# KiCad board issue22475.kicad_pcb
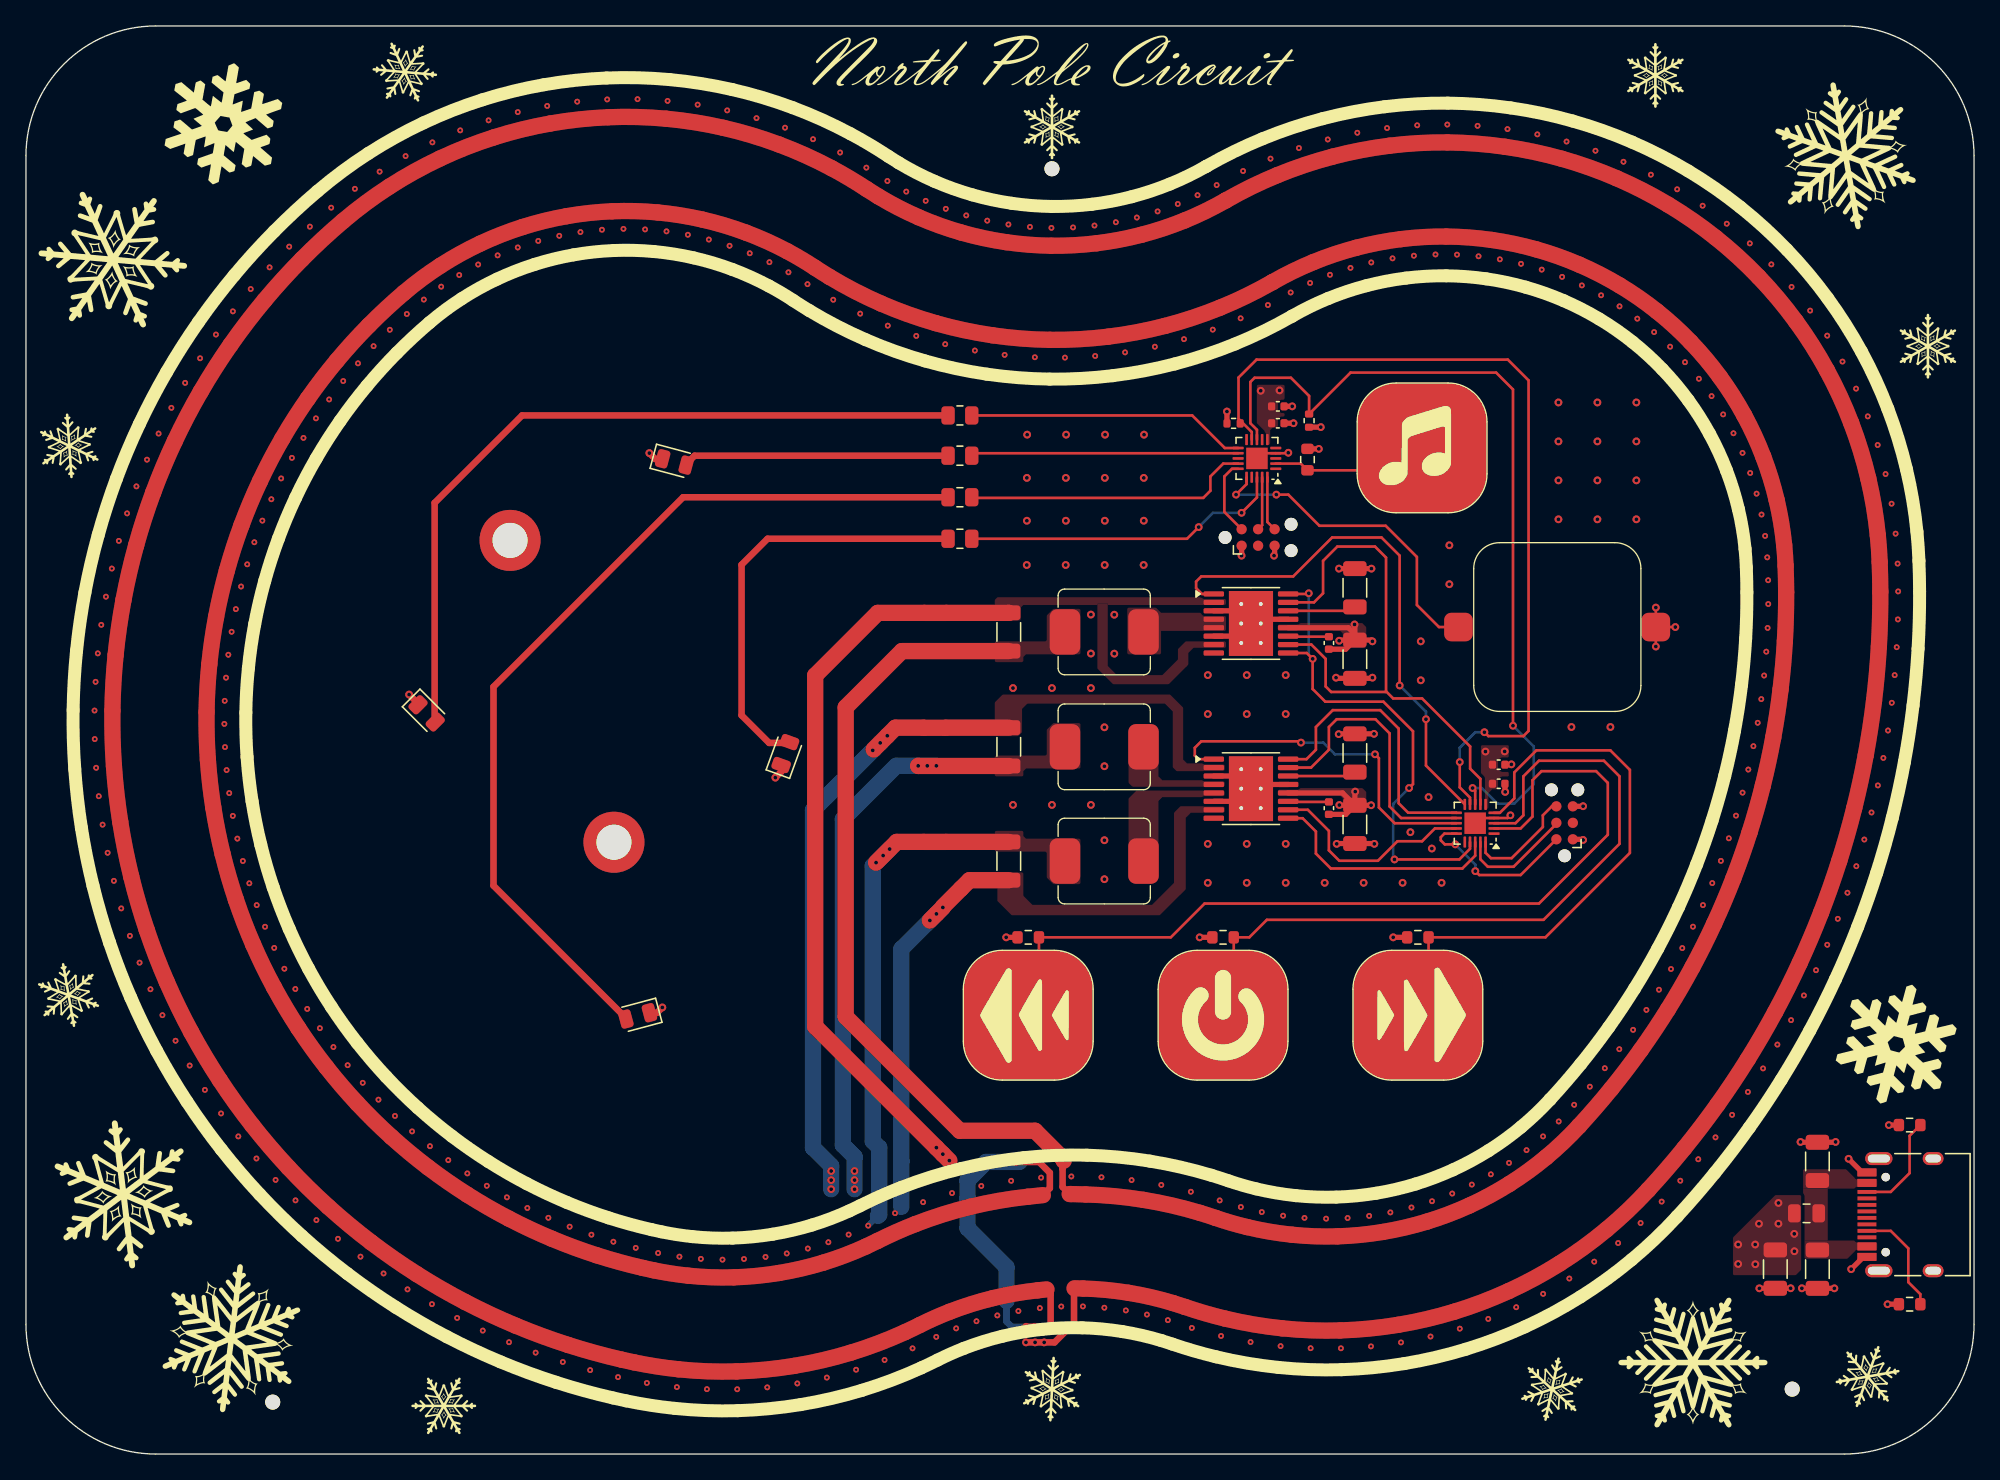
[diagram p0: board, top side]
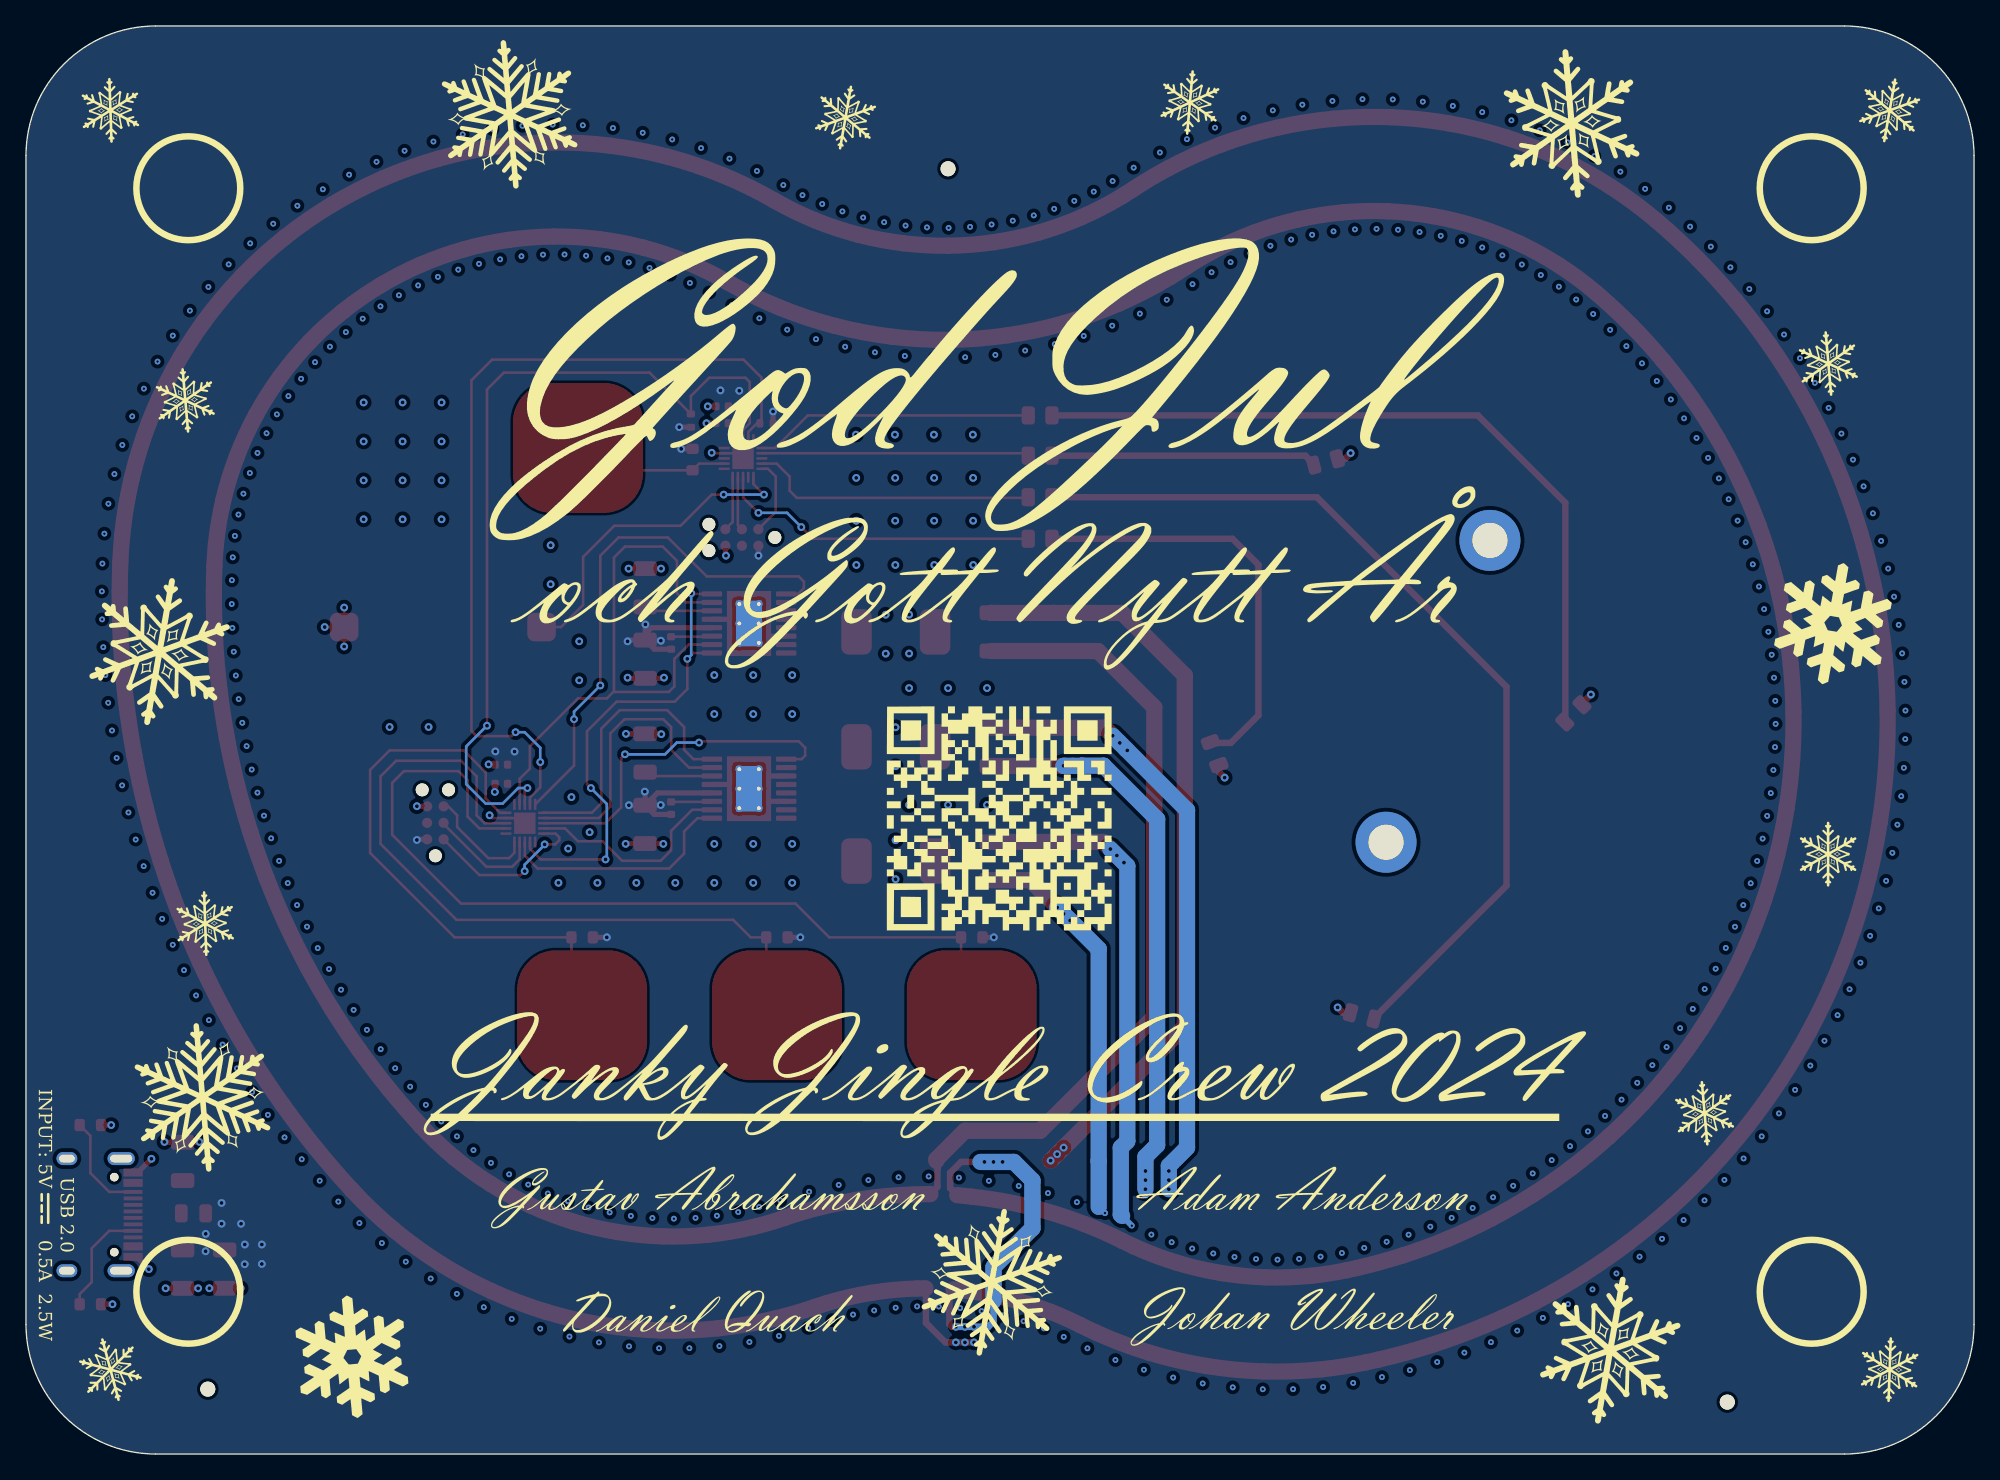
[diagram p1: board, bottom side, seen from below]

Outline 150 x 110 mm; copper layers: Top, In1.Cu, In2.Cu, Bottom. Coordinates in mm from the lower left corner of the outline.
Outline path: 0,100 0,10 arc(2.93,2.93) 10,0 140,0 arc(147.07,2.93) 150,10 150,100 arc(147.07,107.07) 140,110 10,110 arc(2.93,107.07) 0,100
Stack: Top 0.035mm / dielectric 1.51mm FR4 er 4.5 / In1.Cu 0.035mm / dielectric 1.51mm FR4 er 4.5 / In2.Cu 0.035mm / dielectric 1.51mm FR4 er 4.5 / Bottom 0.035mm

## Placement (name value [footprint] x y rotation side)
BZ1  FUET-1325H  [FUET-1325]  117.9 63.7 270 top
C1  10uF  [C_1206_3216Metric]  137.94 14.24 270 top
C2  10uF  [C_1206_3216Metric]  137.94 22.54 90 top
C3  10uF  [C_1206_3216Metric]  134.7 14.25 270 top
C4  10uF  [C_1206_3216Metric]  102.32 61.22 270 top
C5  2.2uF  [C_1206_3216Metric]  102.32 66.72 270 top
C6  10nF  [C_0402_1005Metric]  100.32 62.47 90 top
C7  10uF  [C_1206_3216Metric]  75.68 63.33 270 top
C8  10uF  [C_1206_3216Metric]  102.32 48.5 270 top
C9  2.2uF  [C_1206_3216Metric]  102.32 54 270 top
C10  10nF  [C_0402_1005Metric]  100.32 49.75 90 top
C11  10uF  [C_1206_3216Metric]  75.68 54.47 270 top
C12  10uF  [C_1206_3216Metric]  75.68 45.67 90 top
C13  100n  [C_0402_1005Metric]  113.4 53.1 0 top
C14  100n  [C_0402_1005Metric]  113.4 51.63 0 top
C15  100n  [C_0402_1005Metric]  96.4 80.7 0 top
C16  100n  [C_0402_1005Metric]  96.4 79.4 0 top
D1  LED  [LED_0805_2012Metric]  47.1 33.75 195 top
D2  LED  [LED_0805_2012Metric]  49.93 76.42 345 top
D3  LED  [LED_0805_2012Metric]  30.85 57.05 315 top
D4  LED  [LED_0805_2012Metric]  58.47 53.95 70 top
F1  500mA  [Fuse_0805_2012Metric]  137.1 18.54 180 top
G***  -  [LOGO]  107.03 77.45 0 top
G***#2  -  [LOGO]  3.28 35.35 70 top
G***#3  -  [LOGO]  77.18 33.8 90 top
G***#4  -  [LOGO]  3.33 77.66 4 top
G***#5  -  [LOGO]  92.18 33.8 0 top
G***#6  -  [LOGO]  79 102.23 0 top
G***#7  -  [LOGO]  32.17 3.71 30 top
G***#8  -  [LOGO]  29.17 106.45 25 top
G***#9  -  [LOGO]  6.68 92 25 top
G***#10  -  [LOGO]  107.18 33.8 270 top
G***#11  -  [LOGO]  128.35 7.05 330 top
G***#12  -  [LOGO]  83.8 106.56 0 top
G***#13  -  [LOGO]  146.45 85.33 0 top
G***#14  -  [LOGO]  143.91 31.62 345 top
G***#15  -  [LOGO]  125.46 106.19 0 top
G***#16  -  [LOGO]  141.8 5.97 280 top
G***#17  -  [LOGO]  15.81 8.92 353 top
G***#18  -  [LOGO]  7.5 20 7 top
G***#19  -  [LOGO]  15.1 102.5 350 top
G***#20  -  [LOGO]  79 5 357 top
G***#21  -  [LOGO]  140.1 100 10 top
G***#22  -  [LOGO]  117.5 5 348 top
G***#23  -  [LOGO]  11.21 84 355 bottom
G***#24  -  [LOGO]  86.9 102.95 190 bottom
G***#25  -  [LOGO]  6.5 103.5 190 bottom
G***#26  -  [LOGO]  75.64 13.23 190 bottom
G***#27  -  [LOGO]  75.85 28.24 180 bottom
G***#28  -  [LOGO]  143.5 6.5 165 bottom
G***#29  -  [LOGO]  43.36 19.75 180 bottom
G***#30  -  [LOGO]  6.5 6.5 182 bottom
G***#31  -  [LOGO]  143.5 103.5 178 bottom
G***#32  -  [LOGO]  112.75 103.19 355 bottom
G***#33  -  [LOGO]  60.37 104.1 5 bottom
G***#34  -  [LOGO]  136.4 27.47 355 bottom
G***#35  -  [LOGO]  43.88 10.62 180 bottom
G***#36  -  [LOGO]  28 8 10 bottom
G***#37  -  [LOGO]  75 49 180 bottom
G***#38  -  [LOGO]  137.73 81.16 175 bottom
G***#39  -  [LOGO]  10.97 64 190 bottom
G***#40  -  [LOGO]  11.23 46.21 0 bottom
G***#41  -  [LOGO]  75 82.23 180 bottom
G***#42  -  [LOGO]  87.46 10.29 180 bottom
G***#43  -  [LOGO]  30.99 102.49 175 bottom
G***#44  -  [LOGO]  136.2 40.86 358 bottom
G***#45  -  [LOGO]  139.71 61.81 10 bottom
G***#46  -  [LOGO]  68.04 66.46 180 bottom
G***#47  -  [LOGO]  125 7.5 175 bottom
G***#48  -  [LOGO]  20.75 26.25 175 bottom
G***#49  -  [LOGO]  92.64 19.71 180 bottom
H5  M2.5  [MountingHole_2.7mm_M2.5_DIN965_Pad]  37.28 70.38 0 top
H6  M2.5  [MountingHole_2.7mm_M2.5_DIN965_Pad]  45.28 47.12 0 top
H7  Tooling  [tooling_hole]  19 4 180 top
H8  Tooling  [tooling_hole]  79 99 180 top
H9  Tooling  [tooling_hole]  136 5 180 top
J1  USB_C_Receptacle_USB2.0_16P  [USB_C_Receptacle_HRO_TYPE-C-31-M-12]  145.8 18.44 90 top
J2  PROG  [Tag-Connect_TC2030-IDC-NL_2x03_P1.27mm_Vertical]  118.47 48.62 90 top
J3  PROG  [Tag-Connect_TC2030-IDC-NL_2x03_P1.27mm_Vertical]  94.88 70.6 0 top
L1  -  [SMMS0650-101M]  83.03 63.33 0 top
L2  -  [SMMS0650-101M]  83.03 54.47 0 top
L3  -  [SMMS0650-101M]  83.03 45.67 0 top
NT1  PWM_G  [NetTie_1.25mm]  70.02 64.79 0 top
NT2  PWM_A  [NetTie_1.25mm]  69.97 55.94 0 top
NT3  PWM_B  [NetTie_1.25mm]  69.98 47.15 180 top
R1  5k1  [R_0603_1608Metric]  145.04 11.54 180 top
R2  5k1  [R_0603_1608Metric]  145.04 25.34 180 top
R3  180R  [R_0805_2012Metric]  71.91 73.7 180 top
R4  180R  [R_0805_2012Metric]  71.91 76.9 180 top
R5  180R  [R_0805_2012Metric]  71.91 80 180 top
R6  180R  [R_0805_2012Metric]  71.91 70.5 180 top
R7  510k  [R_0603_1608Metric]  77.18 39.8 0 top
R8  510k  [R_0603_1608Metric]  92.18 39.8 0 top
R9  510k  [R_0603_1608Metric]  107.18 39.8 0 top
R10  510k  [R_0603_1608Metric]  98.68 76.6 270 top
R11  3.3k  [R_0402_1005Metric]  98.8 79.6 90 top
R12  3.3k  [R_0402_1005Metric]  92.99 79.39 0 top
TP3  SPD-  [Cap_Touch_10mm]  77.18 33.8 90 top
TP4  RUN  [Cap_Touch_10mm]  92.18 33.8 90 top
TP5  SPD+  [Cap_Touch_10mm]  107.18 33.8 90 top
TP6  MUSIC  [Cap_Touch_10mm]  107.5 77.5 90 top
U1  DRV8833PWP  [HTSSOP-16-1EP_4.4x5mm_P0.65mm_EP3.4x5mm_Mask2.46x2.31mm_ThermalVias_Larger]  94.32 63.97 0 top
U2  DRV8833PWP  [HTSSOP-16-1EP_4.4x5mm_P0.65mm_EP3.4x5mm_Mask2.46x2.31mm_ThermalVias_Larger]  94.32 51.25 0 top
U3  CH32V003FxUx  [QFN-20-1EP_3x3mm_P0.4mm_EP1.65x1.65mm]  111.59 48.59 180 top
U4  CH32V003FxUx  [QFN-20-1EP_3x3mm_P0.4mm_EP1.65x1.65mm]  94.78 76.69 180 top

## Library data of the parts
BZ1 = -: Description: Buzzer, polarized; MPN: C2982583; ki_fp_filters: *Buzzer*
C1-C4 C7 C8 C11 C12 = -: Description: Unpolarized capacitor, small symbol; MPN: C13585; ki_fp_filters: C_*
C5 C9 = -: Description: Unpolarized capacitor, small symbol; MPN: C50254; ki_fp_filters: C_*
C6 C10 = -: Description: Unpolarized capacitor, small symbol; MPN: C15195; ki_fp_filters: C_*
C13-C16 = -: Description: Unpolarized capacitor, small symbol; MPN: C1525; ki_fp_filters: C_*
D1-D4 = -: MPN: C5878906; ki_fp_filters: LED* LED_SMD:* LED_THT:*
F1 = -: Description: Resettable fuse, polymeric positive temperature coefficient, small symbol; MPN: C269104; ki_fp_filters: *polyfuse* *PTC*
H5 H6 = -: Description: Mounting Hole with connection; ki_fp_filters: MountingHole*Pad*
H7-H9 = -: Description: Mounting Hole without connection; ki_fp_filters: MountingHole*
J1 = -: Datasheet: https://www.usb.org/sites/default/files/documents/usb_type-c.zip; Description: USB 2.0-only 16P Type-C Receptacle connector; MPN: C165948; ki_fp_filters: USB*C*Receptacle*
J2 J3 = -: Datasheet: https://www.tag-connect.com/wp-content/uploads/bsk-pdf-manager/TC2030-CTX_1.pdf; Description: Tag-Connect ARM Cortex SWD JTAG connector, 6 pin, no legs; ki_fp_filters: *TC2030*
L1-L3 = -: Description: Inductor, small symbol; MPN: C2894722; ki_fp_filters: Choke_* *Coil* Inductor_* L_*
NT1-NT3 = -: Description: Net tie, 2 pins; ki_fp_filters: Net*Tie*
R1 R2 = -: Description: Resistor, small symbol; MPN: C23186; ki_fp_filters: R_*
R3-R6 = -: Description: Resistor, small symbol; MPN: C25270; ki_fp_filters: R_*
R7-R10 = -: Description: Resistor, small symbol; MPN: C23192; ki_fp_filters: R_*
R11 R12 = -: Description: Resistor, small symbol; MPN: C25890; ki_fp_filters: R_*
TP3-TP6 = -: Description: test point; ki_fp_filters: Pin* Test*
U1 U2 = -: Datasheet: http://www.ti.com/lit/ds/symlink/drv8833.pdf; Description: Dual H-Bridge Motor Driver, HTSSOP-16; MPN: C50506; ki_fp_filters: HTSSOP-16-1EP*4.4x5mm*P0.65mm*
U3 U4 = -: Datasheet: https://www.wch-ic.com/products/CH32V003.html; Description: CH32V003 series are industrial-grade general-purpose microcontrollers designed based on 32-bit RISC-V instruction set and architecture. It adopts QingKe V2A core, RV32EC instruction set, and supports 2 levels of interrupt nesting. The series are mounted with rich peripheral interfaces and function modules. Its internal organizational structure meets the low-cost and low-power embedded application scenarios.; MPN: C5299908; ki_fp_filters: QFN*1EP*3x3mm*P0.4mm*EP1.65x1.65mm*

## Footprints (pads in the part's own frame, mm; a bottom-side part is the same pattern mirrored in y, then rotated)
C_0402_1005Metric
  rrect 0.56x0.62 smd: 1(-0.48,0) 2(0.48,0)
C_1206_3216Metric
  rrect 1.15x1.8 smd: 1(-1.475,0) 2(1.475,0)
Cap_Touch_10mm
  custom 1.524x1.524 smd: 1(0,0)
FUET-1325
  rrect 2.2x2.2 smd: 1(0,-7.6) 2(0,7.6)
Fuse_0805_2012Metric
  rrect 0.975x1.4 smd: 1(-0.938,0) 2(0.938,0)
HTSSOP-16-1EP_4.4x5mm_P0.65mm_EP3.4x5mm_Mask2.46x2.31mm_ThermalVias_Larger
  rrect 1.98x0.93 smd: (0,0.58) (0,-0.58)
  rect 2.46x2.31 smd: (0,0)
  rrect 1.575x0.4 smd: 1(-2.862,2.275) 2(-2.862,1.625) 3(-2.862,0.975) 4(-2.862,0.325) 5(-2.862,-0.325) 6(-2.862,-0.975) 7(-2.862,-1.625) 8(-2.862,-2.275) 9(2.862,-2.275) 10(2.862,-1.625) 11(2.862,-0.975) 12(2.862,-0.325) 13(2.862,0.325) 14(2.862,0.975) 15(2.862,1.625) 16(2.862,2.275)
  round 0.6 hole 0.3: 17(-0.75,1.5) 17(-0.75,0) 17(-0.75,-1.5) 17(0.75,1.5) 17(0.75,0) 17(0.75,-1.5)
  rect 2x3.5 smd far side: 17(0,0)
  rect 3.4x5 smd: 17(0,0)
LED_0805_2012Metric
  rrect 0.975x1.4 smd: 1(-0.938,0) 2(0.938,0)
MountingHole_2.7mm_M2.5_DIN965_Pad
  round 4.7 hole 2.7: 1(0,0)
NetTie_1.25mm
  oval 1.25x1.25 smd: 1(-0.875,0) 2(0.875,0)
QFN-20-1EP_3x3mm_P0.4mm_EP1.65x1.65mm
  rrect 0.67x0.67 smd: (-0.41,0.41) (-0.41,-0.41) (0.41,0.41) (0.41,-0.41)
  rrect 0.85x0.2 smd: 1(-1.45,0.8) 2(-1.45,0.4) 3(-1.45,0) 4(-1.45,-0.4) 5(-1.45,-0.8) 11(1.45,-0.8) 12(1.45,-0.4) 13(1.45,0) 14(1.45,0.4) 15(1.45,0.8)
  rrect 0.2x0.85 smd: 6(-0.8,-1.45) 7(-0.4,-1.45) 8(0,-1.45) 9(0.4,-1.45) 10(0.8,-1.45) 16(0.8,1.45) 17(0.4,1.45) 18(0,1.45) 19(-0.4,1.45) 20(-0.8,1.45)
  rect 1.65x1.65 smd: 21(0,0)
R_0402_1005Metric
  rrect 0.54x0.64 smd: 1(-0.51,0) 2(0.51,0)
R_0603_1608Metric
  rrect 0.8x0.95 smd: 1(-0.825,0) 2(0.825,0)
R_0805_2012Metric
  rrect 1.025x1.4 smd: 1(-0.912,0) 2(0.912,0)
SMMS0650-101M
  rrect 2.35x3.5 smd: 1(3.025,0) 2(-3.025,0)
Tag-Connect_TC2030-IDC-NL_2x03_P1.27mm_Vertical
  round 0.991 hole 0.991 unplated: (-2.54,0) (2.54,1.016) (2.54,-1.016)
  round 0.787 smd: 1(-1.27,-0.635) 2(-1.27,0.635) 3(0,-0.635) 4(0,0.635) 5(1.27,-0.635) 6(1.27,0.635)
tooling_hole
  round 1.3 hole 1.152 unplated: (0,0)
USB_C_Receptacle_HRO_TYPE-C-31-M-12
  round 0.65 hole 0.65 unplated: (-2.89,2.6) (2.89,2.6)
  rect 0.6x1.45 smd: A1(-3.25,4.045) A4(-2.45,4.045) A9(2.45,4.045) A12(3.25,4.045) B1(3.25,4.045) B4(2.45,4.045) B9(-2.45,4.045) B12(-3.25,4.045)
  rect 0.3x1.45 smd: A5(-1.25,4.045) A6(-0.25,4.045) A7(0.25,4.045) A8(1.25,4.045) B5(1.75,4.045) B6(0.75,4.045) B7(-0.75,4.045) B8(-1.75,4.045)
  oval 1x2.1 hole 0.6x1.7: S1(-4.32,3.13) S1(4.32,3.13)
  oval 1x1.6 hole 0.6x1.2: S1(-4.32,-1.05) S1(4.32,-1.05)

## Nets
+5V: C3.1 C4.1 C6.1 C8.1 C10.1 C13.1 C14.1 C15.1 C16.1 F1.2 J2.1 J3.1 R7.1 R8.1 R9.1 R10.1 R11.1 R12.1 U1.12 U2.12 U3.6 U4.6
GND: BZ1.2 C1.2 C2.2 C3.2 C4.2 C5.1 C8.2 C9.1 C13.2 C14.2 C15.2 C16.2 D1.1 D2.1 D3.1 D4.1 J1.A1 J1.A12 J1.B1 J1.B12 J1.S1 J2.5 J3.5 R1.2 R2.2 U1.3 U1.6 U1.13 U1.17 U2.3 U2.6 U2.13 U2.17 U3.4 U3.21 U4.4 U4.21
VDD: C1.1 C2.1 F1.1 J1.A4 J1.A9 J1.B4 J1.B9
/A1_OUT: C11.1 NT2.2 U2.2
/A2_OUT: C11.2 L2.2 NT2.1
/B1_OUT: C12.1 NT3.2 U2.7
/B2_OUT: C12.2 L3.2 NT3.1
/BUZZ: BZ1.1 U4.16
/CC1: J1.A5 R1.1
/CC2: J1.B5 R2.1
/G1_OUT: C7.1 NT1.2 U1.2 U1.7
/G2_OUT: C7.2 L1.2 NT1.1
/LED1: R5.1 U4.11
/LED2: R4.1 U4.12
/LED3: R3.1 U4.14
/LED4: R6.1 U4.18
/MUSIC: R10.2 TP6.1 U4.2
/MUSIC2: U4.13
/PWM_A1: U2.16 U3.11
/PWM_A2: U2.15 U3.12
/PWM_B1: U2.9 U3.18
/PWM_B2: U2.10 U3.14
/PWM_G1: U1.9 U1.16 U3.17
/PWM_G2: U1.10 U1.15 U3.7
/RUN: R8.2 TP4.1 U3.3
/RX0: J2.4 U3.19
/RX1: J3.4 U4.19
/SCL: R12.2 U3.9 U4.9
/SDA: R11.2 U3.8 U4.8
/SLEEP_G: U1.1 U3.10
/SLEEP_PH: U2.1 U3.13
/SPD++: R9.2 TP5.1 U3.5
/SPD--: R7.2 TP3.1 U3.2
/SWDIO0: J2.2 U3.15
/SWDIO1: J3.2 U4.15
/TX0: J2.6 U3.20
/TX1: J3.6 U4.20
Net-(D1-A): D1.2 R3.2
Net-(D2-A): D2.2 R4.2
Net-(D3-A): D3.2 R5.2
Net-(D4-A): D4.2 R6.2
Net-(U1-AOUT2): L1.1 U1.4 U1.5
Net-(U1-VCP): C6.2 U1.11
Net-(U1-VINT): C5.2 U1.14
Net-(U2-AOUT2): L2.1 U2.4
Net-(U2-BOUT2): L3.1 U2.5
Net-(U2-VCP): C10.2 U2.11
Net-(U2-VINT): C9.2 U2.14

Pads without a net: H5 1; H6 1; J1 A6 A7 A8 B6 B7 B8; J2 3; J3 3; U1 8; U2 8; U3 1 16; U4 1 3 5 7 10 17

## Via types
v1: diameter 0.6, hole 0.3, Top to Bottom, 175 vias
v2: diameter 0.45, hole 0.2, Top to Bottom, 368 vias

## Routing (per net, layer and track width the routed paths; a pad name or vN(x,y) marks a point on that pad's centre or on a via; arc(x,y) is an arc through that point)
+5V: length 30.5
  Top w0.4: C4.1 102.32,63.88 v1(102.3,63.9) ; C4.1 102.32,63.15 101.82,63.65 U1.12 ; C4.1 103.57,62.7 v1(103.68,62.6) ; C4.1 101.62,62 100.32,62 ; C4.1 101.17,62.7 v1(101.11,62.65) ; C8.1 102.32,51 v1(102.35,51.03) ; C8.1 101.38,50.92 U2.12 ; C8.1 v1(103.57,49.97) ; C8.1 101.14,49.97 v1(101.13,49.99) ; C8.1 101.62,49.27 C10.1 ; R12.1 v1(92.47,80.3) ; v1(93.6,69.2) 93.6,69.2 J3.1 ; v1(99.7,79.1) 98.81,79.1 R11.1 ; R8.1 v1(90.38,39.8) ; v1(99.55,77.42) R10.1 ; v1(119.9,47.3) 119.85,47.35 J2.1 ; R7.1 v1(75.47,39.8) ; R9.1 v1(105.28,39.8)
  vias: v1(95.07,81.9) v1(96.53,81.93) v1(112.38,54.11) v1(113.86,54.12) v1(131.84,16.14) v1(131.84,14.64) v1(133.15,16.14) v1(133.16,14.62) v1(133.44,17.74) v1(134.94,19.34) v1(134.94,17.74) v1(136.16,16.96) v1(136.17,15.62)
GND: length 61.8
  Top w0.2: v1(114.3,49.2) 114.09,48.99 U3.4 111.99,48.99 U3.21 ; U4.21 95.19,77.09 97.16,77.09 v1(97.2,77.12) ; BZ1.2 v1(127,63.7) ; BZ1.2 v1(125.5,62.2) ; BZ1.2 v1(125.5,65.2)
  Top w0.4: v1(100.88,59.8) 100.93,59.75 C4.2 103.62,59.75 v1(103.68,59.8) ; U1.17 93.35,64.95 U1.3 ; U1.17 93.35,63 U1.6 ; U1.17 94.65,64.3 U1.13 ; R2.2 v1(143.44,25.34) ; U2.3 93.35,52.22 U2.17 ; v1(136.75,12.76) v1(139.25,12.76) ; v1(119.9,49.9) 119.89,49.89 J2.5 ; v1(101.08,55.45) 101.1,55.47 C9.1 v1(103.8,55.47) ; v1(135.88,12.77) C3.2 133.47,12.77 v1(133.47,12.76) ; U2.17 94.65,51.58 U2.13 ; U2.17 93.35,50.28 U2.6 ; v1(136.64,24.04) 136.66,24.02 C2.2 139.31,24.02 v1(139.34,24.04) ; J1.A1 141.49,15.19 v1(140.54,14.24) ; C14.2 113.88,51.02 v1(113.9,51) ; v1(97.6,79.4) C16.2 ; v1(103.82,47) 103.8,47.03 C8.2 100.95,47.03 v1(100.93,47) ; J3.5 96.15,69.25 v1(96.1,69.2) ; v1(101.1,68.2) C5.1 v1(103.6,68.2) ; C13.2 114.35,53.1 v1(114.38,53.12) ; v1(97.5,80.7) C15.2 ; v1(140.34,22.74) 141.39,21.69 J1.A12 ; R1.2 v1(143.34,11.54)
  Top w0.5: v1(57.7,52.1) 58.17,52.57 58.17,53.13 ; v1(49,34.4) 48.58,33.98 47.95,33.98 ; 30.23,57.67 30.23,57.77 v1(29.5,58.5) ; 49.09,76.65 48.45,76.65 v1(48,77.1)
  vias: v1(76,59) v1(76,50) v1(77.09,78.52) v1(77.07,75.19) v1(77.07,71.89) v1(77.06,68.48) v1(79,59) v1(79,50) v1(80.09,78.52) v1(80.07,75.19) v1(80.07,71.89) v1(80.06,68.48) v1(82,64.66) v1(82,61.66) v1(82,59) v1(82,50) v1(83.04,55.98) v1(83.04,52.98) v1(83.04,47.28) v1(83.04,44.28) v1(83.09,78.52) v1(83.07,75.19) v1(83.07,71.89) v1(83.06,68.48) v1(83.8,64.65) v1(83.8,61.65) v1(86.09,78.52) v1(86.07,75.19) v1(86.07,71.89) v1(86.06,68.48) v1(91,60) v1(91,57) v1(91,47) v1(91,44) v1(94,60) v1(94,57) v1(94,47) v1(94,44) v1(97,60) v1(97,57) v1(97,47) v1(97,44) v1(100,44) v1(103,44) v1(106,44) v1(106.6,47.9) v1(107.4,62.6) v1(107.4,59.6) v1(108,50.6) v1(108.25,46.64) v1(109,44) v1(109.6,70) v1(109.6,67) v1(118,81) v1(118,78) v1(118,75) v1(118,72) v1(119,56) v1(121,81) v1(121,78) v1(121,75) v1(121,72) v1(122,56) v1(124,81) v1(124,78) v1(124,75) v1(124,72)
/A1_OUT: length 4.8
  Top w1.25: C11.1 70.85,55.95
/A2_OUT: length 2419.5
  Top w1.25: 65.28,54.28 v1(66.32,55.33) 66.95,55.95 69.1,55.95 ; C11.2 68.71,53 v1(68.7,53.01)
  In1.Cu w0.45: 54.75,4.99 54.43,15.63 arc(55.09,15.66) 56.05,15.74 ; 135.91,33.41 126.53,38.47 arc(126.92,39.2) 127.37,40.08 ; 9.58,35.81 19.35,40.06 arc(19.66,39.36) 20.08,38.47 ; 59.25,16.26 v2(61.67,5.89) ; 71.62,9.68 67.75,19.6 arc(69.07,20.08) 69.99,20.39 ; 132.4,74.58 v2(142.58,77.72) ; 62.7,100.25 57.68,90.85 arc(57.1,91.15) 56.23,91.57 ; 133.28,60.94 v2(143.89,60) ; 46.82,93.72 v2(47.09,104.36) ; 123.03,87.41 v2(129.1,96.15) ; 132.85,57.33 v2(143.37,55.73) ; 104.53,91.32 v2(102.51,101.78) ; 37.32,92.04 v2(33.44,101.96) ; 33.62,22.65 v2(27.54,13.91) ; 105.73,19.42 v2(108.15,9.05) ; 117.28,90.35 v2(120.85,100.39) ; 72.41,95.4 69.49,85.16 arc(68.15,85.58) 67.24,85.89 ; 54.01,103.49 51.64,93.11 arc(50.99,93.25) 50.05,93.42 ; 16.99,65.81 v2(6.61,68.21) ; 13.77,28.06 22.68,33.9 arc(23.1,33.26) 23.67,32.45 ; 143.66,57.85 133.09,59.13 arc(133.18,59.95) 133.28,60.94 ; 130.21,46.77 v2(140.25,43.24) ; 105.86,8.59 104.13,19.1 arc(104.78,19.22) 105.72,19.42 ; 129.7,80.44 v2(138.7,86.15) ; 17.31,89.75 25.49,82.93 arc(25,82.33) 24.4,81.56 ; 85.9,84.42 v2(83.92,94.88) ; 127.37,40.08 v2(136.9,35.32) ; 14.64,86.24 23.36,80.14 arc(22.93,79.51) 22.39,78.68 ; 81.2,83.85 v2(80.62,94.48) ; 15.99,58.87 v2(5.36,59.48) ; 144.05,62.14 133.41,62.75 arc(133.46,63.58) 133.49,64.56 ; 50.11,5.16 51.2,15.75 arc(51.86,15.69) 52.82,15.64 ; 41.32,7.09 44.57,17.24 arc(45.31,17.01) 46.26,16.74 ; 19.14,72.47 v2(9.32,76.59) ; 76.47,83.91 v2(77.3,94.52) ; 5.53,61.69 16.13,60.63 arc(16.06,59.86) 15.99,58.88 ; 84.68,11.06 86.38,21.58 arc(87.76,21.32) 88.7,21.12 ; 127.79,83.05 v2(135.95,89.9) ; 140.93,45.27 130.78,48.49 arc(131.03,49.28) 131.3,50.23 ; 94.87,87.39 v2(90.21,96.97) ; 141.82,79.91 131.88,76.11 arc(131.63,76.72) 131.25,77.6 ; 58.46,102.16 54.73,92.18 arc(54.12,92.4) 53.2,92.7 ; 74.59,21.51 v2(76.42,11.01) ; 39.69,19.15 v2(35.17,9.51) ; 121.62,30.84 v2(130.09,24.39) ; 5.9,48.49 16.42,50.14 arc(16.55,49.38) 16.73,48.41 ; 7.15,70.35 17.42,67.51 arc(17.22,66.77) 16.99,65.81 ; 142.11,49.4 131.77,51.99 arc(131.97,52.79) 132.19,53.75 ; 40.15,103.84 42,93.35 arc(41.35,93.23) 40.41,93.02 ; 28.23,27.13 v2(20.75,19.54) ; 5.28,57.28 15.93,57.13 arc(15.93,56.35) 15.94,55.37 ; 45.58,5.93 47.96,16.31 arc(48.29,16.23) 48.72,16.14 arc(49.08,16.07) 49.6,15.97 ; 12.26,82.52 21.48,77.19 arc(21.1,76.51) 20.63,75.65 ; 134.4,91.62 126.71,84.26 arc(126.25,84.72) 125.56,85.39 ; 62.89,87.78 v2(67.78,97.24) ; 35.64,102.74 38.85,92.58 arc(38.23,92.38) 37.33,92.04 ; 131.31,50.24 v2(141.55,47.33) ; 120.25,89.07 v2(125.12,98.55) ; 22.35,18.03 29.5,25.93 arc(30.07,25.41) 30.82,24.78 ; 6.16,66.05 16.63,64.1 arc(16.49,63.34) 16.34,62.37 ; 128.76,22.7 120.49,29.41 arc(121.01,30.05) 121.61,30.84 ; 56.05,15.74 v2(57.08,5.14) ; 16.19,51.87 v2(5.6,50.67) ; 79.3,22 v2(79.72,11.36) ; 85.55,95.25 88.22,84.94 arc(86.85,84.61) 85.91,84.42 ; 20.28,93.01 27.85,85.52 arc(27.31,84.97) 26.64,84.25 ; 10.22,78.62 19.85,74.08 arc(19.53,73.38) 19.14,72.48 ; 125.65,36.88 v2(134.86,31.54) ; 110.97,91.69 v2(111.77,102.31) ; 49.6,15.97 v2(47.81,5.47) ; 122.59,16.24 115.77,24.42 arc(116.27,24.85) 116.98,25.5 ; 139.51,41.21 129.58,45.06 arc(129.87,45.84) 130.21,46.77 ; 98.41,89.27 v2(93.72,98.83) ; 20.08,38.46 v2(10.51,33.8) ; 29.37,12.69 35.07,21.68 arc(35.73,21.28) 36.57,20.78 ; 96.08,19.13 v2(94.29,8.63) ; 69.99,20.39 v2(73.19,10.23) ; 11.51,31.85 20.88,36.91 arc(21.25,36.23) 21.75,35.38 ; 20.63,75.64 v2(11.2,80.59) ; 110.39,9.65 107.28,19.84 arc(107.91,20.04) 108.81,20.36 ; 34.4,90.66 v2(29.23,99.98) ; 133.75,29.69 124.71,35.32 arc(125.14,36.03) 125.65,36.88 ; 88.71,21.12 v2(86.31,10.74) ; 132.19,53.76 v2(142.6,51.5) ; 101.24,8.15 100.91,18.79 arc(101.57,18.82) 102.53,18.89 ; 69.29,96.53 65.04,86.76 arc(63.76,87.35) 62.9,87.78 ; 107.74,91.72 v2(107.13,102.35) ; 8.51,74.55 18.5,70.85 arc(18.23,70.12) 17.92,69.19 ; 81.37,11.37 81.66,22.02 arc(83.07,21.95) 84.03,21.88 ; 99.3,18.8 v2(98.92,8.15) ; v2(91.68,97.75) 96.97,88.5 arc(95.74,87.83) 94.88,87.39 ; 40.41,93.02 v2(37.87,103.36) ; 88.7,96.29 92.71,86.43 arc(91.4,85.92) 90.49,85.61 ; 53.2,92.7 v2(56.25,102.9) ; 31.31,101.04 35.84,91.4 arc(35.25,91.12) 34.4,90.67 ; 31.68,88.91 v2(25.33,97.46) ; 42.92,17.8 v2(39.24,7.81) ; 52.82,15.64 v2(52.43,5) ; 23.51,96.01 30.42,87.91 arc(29.84,87.4) 29.11,86.74 ; 96.59,8.31 97.68,18.91 arc(98.34,18.85) 99.3,18.8 ; v2(70.09,9.02) 65.58,18.67 65.43,18.67 63.8,20.3 v1(63.8,20.4) v1(63.8,21.1) v1(63.8,21.8) 63.8,21.7 ; 67.23,85.89 v2(70.83,95.91) ; 82.28,94.63 83.57,84.06 arc(82.17,83.91) 81.21,83.85 ; 102.53,18.89 v2(103.56,8.29) ; 78.06,11.24 76.93,21.83 arc(78.33,21.95) 79.29,22 ; 101.4,90.5 v2(98.02,100.59) ; 127.15,97.41 121.67,88.28 arc(121.1,88.61) 120.26,89.07 ; 17.92,69.19 v2(7.79,72.46) ; 5.4,52.87 16.03,53.62 arc(16.09,52.85) 16.19,51.88 ; 66.34,98.05 60.83,88.94 arc(60.11,89.38) 59.63,89.69 arc(59.41,89.84) 59.08,90.04 ; 50.04,93.42 v2(51.72,103.94) ; 49.42,104.23 48.44,93.62 arc(47.79,93.67) 46.83,93.72 ; 131.25,77.6 v2(140.92,82.06) ; 133.47,68.2 v2(144.11,68.59) ; 16.34,24.48 24.72,31.05 arc(25.2,30.45) 25.83,29.69 ; 137.83,37.25 128.16,41.72 arc(128.5,42.47) 128.89,43.38 ; 26.64,84.25 v2(18.76,91.41) ; 37.18,8.62 41.28,18.45 arc(42,18.16) 42.92,17.81 ; 75.66,94.71 74.12,84.17 arc(72.73,84.4) 71.79,84.59 ; 74.78,10.67 72.27,21.02 arc(73.64,21.33) 74.59,21.51 ; 46.26,16.73 v2(43.44,6.46) ; 16.73,48.41 v2(6.29,46.31) ; 33.19,10.49 38.11,19.93 arc(38.8,19.58) 39.68,19.16 ; 133.15,71.44 v2(143.65,73.2) ; 36.58,20.77 v2(31.26,11.55) ; 92.94,19.88 v2(89.77,9.71) ; 143.96,70.89 133.36,69.83 arc(133.29,70.48) 133.15,71.43 ; 62,21.7 v1(62,21.8) v1(62,21.1) v1(62,20.4) 62,19.65 63.83,17.82 68.25,8.14 ; 128.89,43.38 v2(138.7,39.23) ; 118.64,101.09 115.75,90.84 arc(115.11,91.01) 114.18,91.23 ; 15.94,55.37 v2(5.29,55.07) ; 108.82,20.36 v2(112.6,10.41) ; 133.49,64.57 v2(144.14,64.29) ; 43.59,93.58 v2(42.45,104.17) ; 25.84,29.69 v2(17.75,22.77) ; 114.17,91.23 v2(116.37,101.65) ; 104.82,102.14 106.13,91.57 arc(105.48,91.48) 104.53,91.32 ; 114.5,23.43 v2(120.76,14.82) ; 56.23,91.57 v2(60.6,101.28) ; 123.02,99.54 118.79,89.76 arc(118.19,90.01) 117.29,90.35 ; 114.09,102.05 112.58,91.51 arc(111.93,91.6) 110.98,91.69 ; 131.36,26.12 122.69,32.3 arc(123.17,32.98) 123.72,33.8 ; 87.91,10.32 90.99,20.51 arc(91.75,20.27) 92.27,20.1 arc(92.54,20.01) 92.94,19.88 ; 63.9,6.49 60.8,16.68 arc(61.43,16.88) 62.33,17.2 ; 29.11,86.74 v2(21.86,94.54) ; 144.16,66.43 133.51,66.38 arc(133.5,67.21) 133.47,68.2 ; 139.88,84.14 130.52,79.05 arc(130.2,79.62) 129.7,80.44 ; 21.75,35.38 v2(12.6,29.92) ; 143.19,75.47 132.83,73.02 arc(132.67,73.65) 132.4,74.58 ; 22.39,78.68 v2(13.41,84.4) ; 116.98,25.5 v2(124.33,17.79) ; 17.56,45 v2(7.34,42.03) ; 118.83,13.51 113.15,22.52 arc(113.7,22.88) 114.49,23.43 ; 92.01,9.1 94.49,19.45 arc(95.14,19.31) 96.08,19.13 ; 84.03,21.88 v2(83.04,11.27) ; 100.25,101.26 102.96,90.96 arc(102.32,90.78) 101.4,90.5 ; 18.68,41.68 v2(8.75,37.85) ; 7.99,39.93 18.09,43.33 arc(18.34,42.61) 18.68,41.68 ; 95.84,99.79 99.89,89.93 arc(99.28,89.68) 98.41,89.27 ; 114.74,11.3 110.31,20.99 arc(110.9,21.27) 111.75,21.71 ; 24.4,81.55 v2(15.93,88.02) ; 78.97,94.45 78.84,83.8 arc(77.44,83.84) 76.48,83.91 ; 109.46,102.41 109.36,91.76 arc(108.7,91.75) 107.74,91.72 ; 123.73,33.8 v2(132.59,27.89) ; 90.49,85.61 v2(87.13,95.72) ; 137.39,88.06 128.79,81.78 arc(128.4,82.3) 127.79,83.05 ; 25.75,15.21 32.19,23.69 arc(32.81,23.23) 33.61,22.66 ; 27.24,98.79 33.02,89.84 arc(32.47,89.47) 31.69,88.91 ; 71.78,84.59 v2(74.02,95) ; 23.67,32.45 v2(15.02,26.24) ; 16.34,62.36 v2(5.8,63.87) ; 111.76,21.71 v2(116.82,12.34) ; 130.97,94.76 124.33,86.44 arc(123.81,86.84) 123.03,87.4 ; 6.76,44.17 17.11,46.7 arc(17.3,45.95) 17.56,45.01 ; 62.34,17.2 v2(66.11,7.24) ; 59.38,5.43 57.65,15.94 arc(58.3,16.06) 59.24,16.26 ; 125.95,19.44 118.11,26.66 arc(118.67,27.27) 119.32,28.02 ; 19.21,21.13 27,28.39 arc(27.53,27.83) 28.22,27.13 ; 119.33,28.02 v2(127.38,21.05) ; 59.08,90.04 v2(64.71,99.09) ; 125.55,85.39 v2(132.73,93.25) ; 30.83,24.77 v2(24.02,16.58) ; 143.02,53.6 132.54,55.54 arc(132.69,56.35) 132.85,57.33 ; 44.77,104.34 45.21,93.7 arc(44.55,93.67) 43.6,93.58